# Altium PCB extio.PcbDoc (part 2 of 2)
Units mil, origin at the board's own origin, x right, y up, seen from the top; angles counter-clockwise.
Board outline 5039.37 x 4527.56 mil, 2 copper layers (Top Layer, Bottom Layer); 248 components, 157 nets, 670 pads, 315 vias.
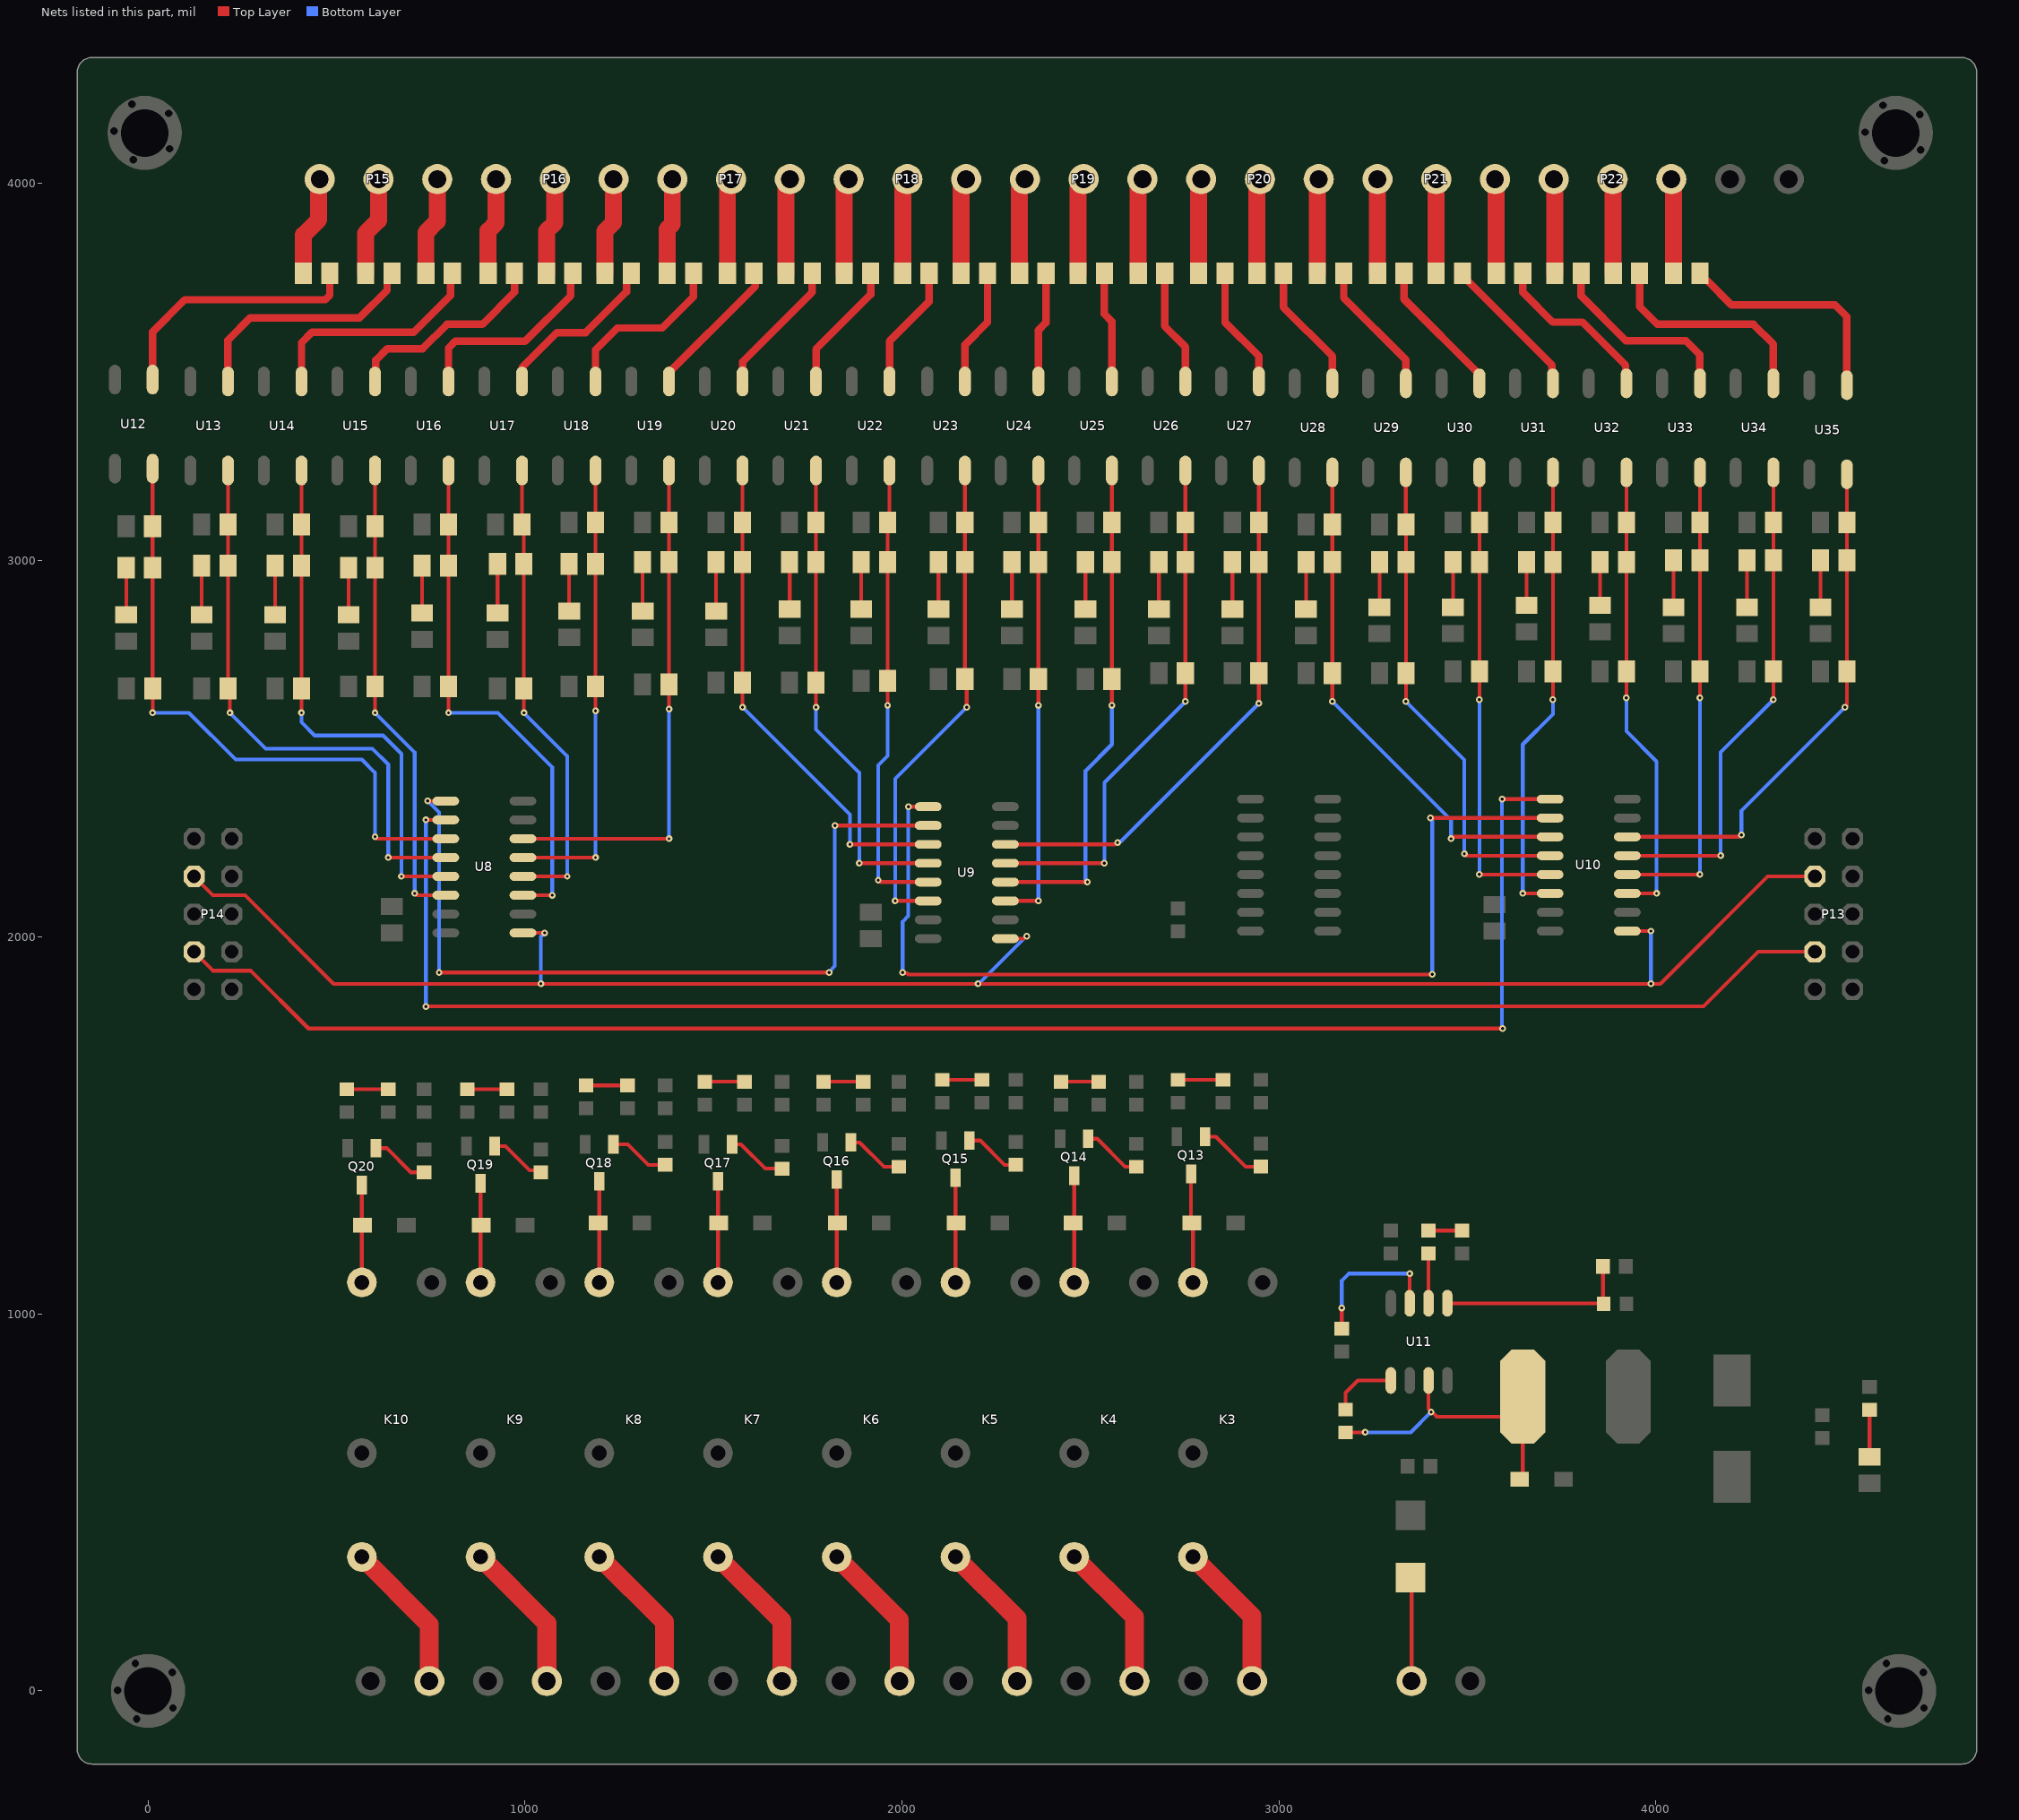
[diagram p2: the nets of this part, all layers, seen from the top]

## Via types
v1: diameter 17.72, hole 7.87, Top Layer to Bottom Layer, 315 vias

## Nets (pads, with @x,y where several pads share a name; then routed paths per layer and width w, separated by ;. In a path a pad name is that pad's centre, name@x,y a point inside that pad or via, vN(x,y) a via of type N, cw(c..) or ccw(c..) an arc to the next point about the centre after c; other vN are vias at no path point) (continued)
NetC49_1: C49.1 D18.2 L3.1 U11.3 | length 829
  Top Layer w10: C49.1@3177.15,685.83 3228.83,685.83 v1(3229.15,686.15) ; U11.3@3397.15,823.79 3397.15,749.15 3419.15,727.15 3593.15,727.15 L3.1@3647.15,781.15 3647.15,569.22 D18.2@3639.08,561.15
  Bottom Layer w10: v1(3229.15,686.15) 3350.15,686.15 v1(3404.15,740.15)
NetC49_2: C49.2 U11.1 | length 178.2
  Top Layer w10: C49.2@3177.15,746.46 3177.15,791.15 3209.79,823.79 U11.1@3297.15,823.79
NetC50_1: C50.1 R48.1 | length 89
  Top Layer w10: C50.1@3397.15,1221.46 R48.1@3486.15,1221.46
NetC50_2: C50.2 U11.6 | length 132.3
  Top Layer w10: U11.6@3397.15,1028.51 C50.2@3397.15,1160.83
NetD16_1: D16.1 P12.1 | length 275.6
  Top Layer w10: D16.1@3349.15,300.47 3352.15,297.47 P12.1@3352.15,26.15
NetD17_K: D17.K R51.1 | length 124.6
  Top Layer w10: R51.1@4567.15,621.19 D17.K@4567.15,745.83
NetD19_K: D19.K R60.1 | length 125
  Top Layer w10: R60.1@-57.93,2980.15 -57.85,2980.07 D19.K@-57.85,2855.15
NetD20_K: D20.K R61.1 | length 135
  Top Layer w10: R61.1@142.07,2985.15 142.07,2850.27 D20.K@142.15,2850.19
NetD21_K: D21.K R62.1 | length 130
  Top Layer w10: R62.1@337.07,2985.15 337.15,2985.07 D21.K@337.15,2855.15
NetD22_K: D22.K R63.1 | length 125
  Top Layer w10: R63.1@532.07,2980.15 532.15,2980.07 D22.K@532.15,2855.15
NetD23_K: D23.K R64.1 | length 125
  Top Layer w10: R64.1@727.07,2985.15 727.15,2985.07 D23.K@727.15,2860.15
NetD24_K: D24.K R65.1 | length 130
  Top Layer w10: R65.1@927.11,2990.15 R65.1@927.11,2990.15 D24.K@927.15,2860.19
NetD25_K: D25.K R66.1 | length 125
  Top Layer w10: R66.1@1117.07,2990.15 1117.07,2865.27 D25.K@1117.15,2865.19
NetD26_K: D26.K R67.1 | length 130
  Top Layer w10: R67.1@1312.11,2995.15 1312.11,2865.23 D26.K@1312.15,2865.19
NetD27_K: D27.K R84.1 | length 130
  Top Layer w10: R84.1@1507.11,2995.15 R84.1@1507.11,2995.15 D27.K@1507.15,2865.19
NetD28_K: D28.K R85.1 | length 125
  Top Layer w10: R85.1@1702.07,2995.15 1702.15,2995.07 D28.K@1702.15,2870.15
NetD29_K: D29.K R86.1 | length 125
  Top Layer w10: R86.1@1892.11,2995.15 R86.1@1892.11,2995.15 D29.K@1892.15,2870.19
NetD30_K: D30.K R87.1 | length 125
  Top Layer w10: R87.1@2097.07,2995.15 2097.15,2995.07 D30.K@2097.15,2870.15
NetD31_K: D31.K R88.1 | length 125
  Top Layer w10: R88.1@2292.11,2995.15 R88.1@2292.11,2995.15 D31.K@2292.15,2870.19
NetD32_K: D32.K R89.1 | length 125
  Top Layer w10: R89.1@2487.11,2995.15 R89.1@2487.11,2995.15 D32.K@2487.15,2870.19
NetD33_K: D33.K R90.1 | length 125
  Top Layer w10: R90.1@2682.11,2995.15 R90.1@2682.11,2995.15 D33.K@2682.15,2870.19
NetD34_K: D34.K R91.1 | length 125
  Top Layer w10: R91.1@2877.11,2995.15 2877.11,2870.23 D34.K@2877.15,2870.19
NetD35_K: D35.K R108.1 | length 125
  Top Layer w10: R108.1@3072.11,2995.15 3072.11,2870.23 D35.K@3072.15,2870.19
NetD36_K: D36.K R109.1 | length 120
  Top Layer w10: R109.1@3267.11,2995.15 3267.11,2875.23 D36.K@3267.15,2875.19
NetD37_K: D37.K R110.1 | length 120
  Top Layer w10: R110.1@3462.07,2995.15 3462.15,2995.07 D37.K@3462.15,2875.19
NetD38_K: D38.K R111.1 | length 115
  Top Layer w10: R111.1@3657.11,2995.15 3657.11,2880.23 D38.K@3657.15,2880.19
NetD39_K: D39.K R112.1 | length 115
  Top Layer w10: R112.1@3852.11,2995.15 3852.11,2880.23 D39.K@3852.15,2880.19
NetD40_K: D40.K R113.1 | length 125
  Top Layer w10: R113.1@4047.11,3000.15 R113.1@4047.11,3000.15 D40.K@4047.15,2875.19
NetD41_K: D41.K R114.1 | length 125
  Top Layer w10: R114.1@4242.11,3000.15 4242.11,2875.23 D41.K@4242.15,2875.19
NetD42_K: D42.K R115.1 | length 125
  Top Layer w10: R115.1@4437.11,3000.15 R115.1@4437.11,3000.15 D42.K@4437.15,2875.19
NetD43_1: D43.1 K3.1 Q13.3 | length 290.1
  Top Layer w10: Q13.3@2767.15,1371.94 2767.15,1243.08 D43.1@2769.08,1241.15 2772.15,1238.08 K3.1@2772.15,1083.91
NetD44_1: D44.1 K4.1 Q14.3 | length 285.6
  Top Layer w10: K4.1@2457.15,1083.91 2457.15,1238.08 D44.1@2454.08,1241.15 2457.15,1244.22 Q14.3@2457.15,1366.94
NetD45_1: D45.1 K5.1 Q15.3 | length 279.6
  Top Layer w10: K5.1@2142.15,1083.91 2142.15,1239.22 D45.1@2144.08,1241.15 2142.15,1243.08 Q15.3@2142.15,1361.94
NetD46_1: D46.1 K6.1 Q16.3 | length 274.6
  Top Layer w10: K6.1@1827.15,1083.91 1827.15,1239.22 D46.1@1829.08,1241.15 1827.15,1243.08 Q16.3@1827.15,1356.94
NetD47_1: D47.1 K7.1 Q17.3 | length 269.6
  Top Layer w10: K7.1@1512.15,1083.91 1512.15,1239.22 D47.1@1514.08,1241.15 1512.15,1243.08 Q17.3@1512.15,1351.94
NetD48_1: D48.1 K8.1 Q18.3 | length 270.6
  Top Layer w10: K8.1@1197.15,1083.91 1197.15,1238.08 D48.1@1194.08,1241.15 1197.15,1244.22 Q18.3@1197.15,1351.94
NetD49_K: D49.K R124.2 | length 120
  Top Layer w10: R124.2@2732.15,1621.46 D49.K@2852.15,1621.46
NetD50_K: D50.K R125.2 | length 105
  Top Layer w10: R125.2@2417.15,1616.46 D50.K@2522.15,1616.46
NetD51_K: D51.K R126.2 | length 105
  Top Layer w10: R126.2@2107.15,1621.46 D51.K@2212.15,1621.46
NetD52_K: D52.K R127.2 | length 105
  Top Layer w10: R127.2@1792.15,1616.46 D52.K@1897.15,1616.46
NetD53_K: D53.K R128.2 | length 105
  Top Layer w10: R128.2@1477.15,1616.46 D53.K@1582.15,1616.46
NetD54_K: D54.K R129.2 | length 110
  Top Layer w10: R129.2@1162.15,1606.46 D54.K@1272.15,1606.46
NetD55_1: D55.1 K9.1 Q19.3 | length 264.6
  Top Layer w10: K9.1@882.15,1083.91 882.15,1234.22 D55.1@884.08,1236.15 882.15,1238.08 Q19.3@882.15,1346.94
NetD56_1: D56.1 K10.1 Q20.3 | length 259.6
  Top Layer w10: K10.1@567.15,1083.91 567.15,1234.22 D56.1@569.08,1236.15 567.15,1238.08 Q20.3@567.15,1341.94
NetD57_K: D57.K R136.2 | length 105
  Top Layer w10: R136.2@847.15,1596.46 D57.K@952.15,1596.46
NetD58_K: D58.K R137.2 | length 110
  Top Layer w10: R137.2@527.15,1596.46 D58.K@637.15,1596.46
NetK3_3: K3.3 P24.2 | length 394.3
  Top Layer w50: K3.3@2772.15,355.56 2928.92,198.79 P24.2@2928.92,26.15
NetK4_3: K4.3 P25.2 | length 395.7
  Top Layer w50: K4.3@2457.15,355.56 2617.11,195.6 P25.2@2617.11,26.15
NetK5_3: K5.3 P26.2 | length 397
  Top Layer w50: K5.3@2142.15,355.56 2305.3,192.41 P26.2@2305.3,26.15
NetK6_3: K6.3 P27.2 | length 398.3
  Top Layer w50: K6.3@1827.15,355.56 1993.49,189.22 P27.2@1993.49,26.15
NetK7_3: K7.3 P28.2 | length 399.6
  Top Layer w50: K7.3@1512.15,355.56 1681.68,186.03 P28.2@1681.68,26.15
NetK8_3: K8.3 P29.2 | length 401
  Top Layer w50: K8.3@1197.15,355.56 1369.87,182.84 P29.2@1369.87,26.15
NetK9_3: K9.3 P30.2 | length 402.3
  Top Layer w50: K9.3@882.15,355.56 1058.06,179.65 P30.2@1058.06,26.15
NetK10_3: K10.3 P31.2 | length 403.6
  Top Layer w50: K10.3@567.15,355.56 746.24,176.46 P31.2@746.24,26.15
NetQ13_1: Q13.1 R130.2 | length 180.4
  Top Layer w10: Q13.1@2804.55,1470.36 2832.94,1470.36 2912.15,1391.15 R130.2@2952.15,1391.15
NetQ14_1: Q14.1 R131.2 | length 158.5
  Top Layer w10: Q14.1@2494.55,1465.36 2517.94,1465.36 2592.46,1390.83 R131.2@2622.15,1390.83
NetQ15_1: Q15.1 R132.2 | length 149.3
  Top Layer w10: Q15.1@2179.55,1460.36 2207.94,1460.36 2272.46,1395.83 R132.2@2302.15,1395.83
NetQ16_1: Q16.1 R133.2 | length 154.3
  Top Layer w10: Q16.1@1864.55,1455.36 1887.94,1455.36 1952.46,1390.83 R133.2@1992.15,1390.83
NetQ17_1: Q17.1 R134.2 | length 159.3
  Top Layer w10: Q17.1@1549.55,1450.36 1572.94,1450.36 1637.46,1385.83 R134.2@1682.15,1385.83
NetQ18_1: Q18.1 R135.2 | length 160.2
  Top Layer w10: Q18.1@1234.55,1450.36 1272.94,1450.36 1327.46,1395.83 R135.2@1372.15,1395.83
NetQ19_1: Q19.1 R138.2 | length 151.4
  Top Layer w10: Q19.1@919.55,1445.36 947.94,1445.36 1012.15,1381.15 1036.83,1381.15 R138.2@1042.15,1375.83
NetQ20_1: Q20.1 R139.2 | length 154.3
  Top Layer w10: Q20.1@604.55,1440.36 632.94,1440.36 697.46,1375.83 R139.2@732.15,1375.83
NetR47_2: R47.2 U11.7 | length 393.8
  Top Layer w10: R47.2@3167.15,961.46 v1(3167.15,1016.15) ; U11.7@3347.15,1028.51 v1(3347.15,1107.15)
  Bottom Layer w10: v1(3167.15,1016.15) 3167.15,1089.15 3185.15,1107.15 v1(3347.15,1107.15)
NetR49_1: R49.1 R50.1 U11.5 | length 511.2
  Top Layer w10: U11.5@3447.15,1028.51 3860.47,1028.51 3859.83,1029.15 R49.1@3859.83,1126.15
NetR68_2: R68.2 U12.1 | length 695.1
  Top Layer w20: U12.1@12.15,3479.26 12.15,3606.15 97.15,3691.15 470.15,3691.15 482.19,3703.19 R68.2@482.19,3761.15
NetR69_2: R69.2 U13.1 | length 637
  Top Layer w20: U13.1@212.15,3474.26 212.15,3584.15 271.15,3643.15 561.15,3643.15 634.35,3716.35 634.35,3748.31 R69.2@647.19,3761.15
NetR70_2: R70.2 U14.1 | length 610.8
  Top Layer w20: U14.1@407.15,3474.26 407.15,3577.15 435.15,3605.15 705.15,3605.15 802.21,3702.21 802.21,3756.17 R70.2@807.19,3761.15
NetR71_2: R71.2 U15.1 | length 550
  Top Layer w20: U15.1@602.15,3474.26 604.35,3476.46 604.35,3530.83 634.91,3561.39 728.65,3561.39 793.41,3626.15 887.15,3626.15 972.19,3711.19 R71.2@972.19,3761.15
NetR72_2: R72.2 U16.1 | length 532
  Top Layer w20: U16.1@797.15,3474.26 797.15,3563.15 815.15,3581.15 1000.15,3581.15 1121.21,3702.21 1121.21,3755.17 R72.2@1127.19,3761.15
NetR73_2: R73.2 U17.1 | length 451.5
  Top Layer w10: U17.1@992.15,3474.26 U17.1@992.15,3511.15
  Top Layer w20: U17.1@992.15,3511.15 1085.15,3604.15 1161.15,3604.15 1269.35,3712.35 1269.35,3748.31 R73.2@1282.19,3761.15
NetR74_2: R74.2 U18.1 | length 464.3
  Top Layer w20: U18.1@1187.15,3474.26 1187.15,3558.15 1245.15,3616.15 1364.15,3616.15 1447.19,3699.19 R74.2@1447.19,3761.15
NetR75_2: R75.2 U19.1 | length 383.4
  Top Layer w20: U19.1@1382.15,3474.26 1382.15,3497.88 1599.42,3715.15 ; 1599.43,3715.15 1611.15,3726.87 1611.15,3757.19 R75.2@1607.19,3761.15
NetR92_2: R92.2 U20.1 | length 363.5
  Top Layer w20: U20.1@1577.15,3474.26 1577.15,3526.15 1762.19,3711.19 R92.2@1762.19,3761.15
NetR93_2: R93.2 U21.1 | length 347
  Top Layer w20: U21.1@1772.15,3474.26 1772.15,3560.15 1917.19,3705.19 R93.2@1917.19,3761.15
NetR94_2: R94.2 U22.1 | length 330.4
  Top Layer w20: U22.1@1967.15,3474.26 1967.15,3581.15 2072.19,3686.19 R94.2@2072.19,3761.15
NetR95_2: R95.2 U23.1 | length 311.8
  Top Layer w20: U23.1@2167.15,3474.26 2167.15,3571.15 2227.19,3631.19 R95.2@2227.19,3761.15
NetR96_2: R96.2 U24.1 | length 295.2
  Top Layer w20: U24.1@2362.15,3474.26 2362.15,3610.15 2382.19,3630.19 R96.2@2382.19,3761.15
NetR97_2: R97.2 U25.1 | length 295.2
  Top Layer w20: R97.2@2537.19,3761.15 2537.19,3653.11 2557.15,3633.15 U25.1@2557.15,3474.26
NetR98_2: R98.2 U26.1 | length 309.7
  Top Layer w20: R98.2@2697.19,3761.15 2697.19,3621.11 2752.15,3566.15 U26.1@2752.15,3474.26
NetR99_2: R99.2 U27.1 | length 324.2
  Top Layer w20: R99.2@2857.19,3761.15 2857.19,3631.11 2947.15,3541.15 U27.1@2947.15,3474.26
NetR116_2: R116.2 U28.1 | length 345.7
  Top Layer w20: R116.2@3012.19,3761.15 3012.19,3671.11 3142.15,3541.15 U28.1@3142.15,3469.26
NetR117_2: R117.2 U29.1 | length 360.2
  Top Layer w20: R117.2@3172.19,3761.15 3172.19,3696.11 3337.15,3531.15 U29.1@3337.15,3469.26
NetR118_2: R118.2 U30.1 | length 374.7
  Top Layer w20: R118.2@3332.19,3761.15 3332.19,3692.84 3532.15,3492.88 U30.1@3532.15,3469.26
NetR119_2: R119.2 U31.1 | length 391.3
  Top Layer w20: R119.2@3487.19,3761.15 3487.19,3755.05 3724.95,3517.29 3724.95,3471.46 U31.1@3727.15,3469.26
NetR120_2: R120.2 U32.1 | length 477.3
  Top Layer w10: R120.2@3647.19,3761.15 R120.2@3665.02,3743.31
  Top Layer w20: R120.2@3647.19,3761.15 3647.19,3711.11 3726.65,3631.65 3805.7,3631.65 3919.95,3517.4 3919.95,3471.46 U32.1@3922.15,3469.26
NetR121_2: R121.2 U33.1 | length 515.5
  Top Layer w20: R121.2@3802.19,3761.15 3802.19,3701.11 3921.15,3582.15 4080.15,3582.15 4117.15,3545.15 U33.1@4117.15,3469.26
NetR122_2: R122.2 U34.1 | length 588.3
  Top Layer w20: R122.2@3957.19,3761.15 3957.19,3673.11 4004.15,3626.15 4259.15,3626.15 4312.15,3573.15 U34.1@4312.15,3469.26
NetR123_2: R123.2 U35.1 | length 623.1
  Top Layer w10: U35.1@4507.15,3464.26 U35.1@4507.15,3478.15
  Top Layer w20: R123.2@4117.19,3761.15 4117.19,3755.05 4130.02,3742.21 4136.13,3742.21 4201.19,3677.15 4476.15,3677.15 4507.15,3646.15 U35.1@4507.15,3478.15
NetU8_9: U8.9 U9.10 | length 2193.9
  Top Layer w10: v1(742.15,2361.15) U8.9@789.79,2361.15 ; v1(772.15,1906.15) v1(1807.15,1906.15) ; v1(1822.15,2296.15) U9.10@2069.79,2296.15
  Bottom Layer w10: v1(742.15,2361.15) 772.15,2331.15 v1(772.15,1906.15) ; v1(1807.15,1906.15) 1807.15,1908.24 1822.15,1923.24 v1(1822.15,2296.15)
NetU9_9: U9.9 U10.10 | length 2640.6
  Top Layer w10: v1(2002.15,1906.15) 2003.63,1904.67 2013.63,1904.67 2017.15,1901.15 v1(3407.15,1901.15) ; v1(2017.15,2346.15) U9.9@2069.79,2346.15 ; v1(3402.15,2316.15) U10.10@3719.79,2316.15
  Bottom Layer w10: v1(2002.15,1906.15) 2002.15,2041.15 2017.15,2056.15 v1(2017.15,2346.15) ; v1(3402.15,2316.15) 3407.15,2311.15 v1(3407.15,1901.15)
PE: P13.3 P14.3 U8.1 U9.1 U10.1 | length 5176.2
  Top Layer w10: P14.3@122.15,2161.15 172.15,2111.15 257.15,2111.15 492.15,1876.15 v1(1042.15,1876.15) v1(2202.15,1876.15) v1(3987.15,1876.15) 4012.15,1876.15 4297.15,2161.15 P13.3@4422.15,2161.15 ; U8.1@994.51,2011.15 v1(1052.15,2011.15) ; U9.1@2274.51,1996.15 2323.04,1996.15 2329.18,2002.29 v1(2331.27,2002.29) ; U10.1@3924.51,2016.15 v1(3987.15,2016.15)
  Bottom Layer w10: v1(1042.15,1876.15) 1042.15,2001.15 v1(1052.15,2011.15) ; v1(2202.15,1876.15) 2203.64,1876.15 2329.78,2002.29 v1(2331.27,2002.29) ; v1(3987.15,1876.15) v1(3987.15,2016.15)
S0: P15.3 R68.1 | length 268
  Top Layer w45: R68.1@412.11,3761.15 412.11,3862.96 452.8,3903.65 452.8,4008.49 P15.3@455.46,4011.15
S1: P15.2 R69.1 | length 264.2
  Top Layer w45: R69.1@577.11,3761.15 577.11,3867.34 611.36,3901.59 P15.2@611.36,4011.15
S2: P15.1 R70.1 | length 262.5
  Top Layer w45: R70.1@737.11,3761.15 737.11,3869.39 767.27,3899.54 P15.1@767.27,4011.15
S3: P16.3 R71.1 | length 258.7
  Top Layer w45: R71.1@902.11,3761.15 902.11,3874.1 923.17,3895.16 P16.3@923.17,4011.15
S4: P16.2 R72.1 | length 259.1
  Top Layer w45: R72.1@1057.11,3761.15 1057.11,3873.48 1079.08,3895.45 P16.2@1079.08,4011.15
S5: P16.1 R73.1 | length 259.5
  Top Layer w45: R73.1@1212.11,3761.15 1212.11,3873.03 1234.98,3895.9 P16.1@1234.98,4011.15
S6: P17.3 R74.1 | length 255.7
  Top Layer w45: R74.1@1377.11,3761.15 1377.11,3877.74 1390.89,3891.52 P17.3@1390.89,4011.15
S7: P17.2 R75.1 | length 254
  Top Layer w45: R75.1@1537.11,3761.15 1537.11,3991.99 1546.8,4001.68 P17.2@1546.8,4011.15
S8: P17.1 R92.1 | length 254.4
  Top Layer w45: R92.1@1692.11,3761.15 1692.11,3991.09 1702.7,4001.68 P17.1@1702.7,4011.15
S9: P18.3 R93.1 | length 254.8
  Top Layer w45: R93.1@1847.11,3761.15 1847.11,3990.18 1858.61,4001.68 P18.3@1858.61,4011.15
S10: P18.2 R94.1 | length 255.1
  Top Layer w45: R94.1@2002.11,3761.15 2002.11,3989.28 2014.51,4001.68 P18.2@2014.51,4011.15
S11: P18.1 R95.1 | length 255.5
  Top Layer w45: R95.1@2157.11,3761.15 2157.11,3988.37 2170.42,4001.68 P18.1@2170.42,4011.15
S12: P19.3 R96.1 | length 255.9
  Top Layer w45: R96.1@2312.11,3761.15 2312.11,3987.47 2326.32,4001.68 P19.3@2326.32,4011.15
S13: P19.2 R97.1 | length 256.3
  Top Layer w45: R97.1@2467.11,3761.15 2467.11,3986.56 2482.23,4001.68 P19.2@2482.23,4011.15
S14: P19.1 R98.1 | length 254.6
  Top Layer w45: R98.1@2627.11,3761.15 2627.11,3990.65 2638.13,4001.68 P19.1@2638.13,4011.15
S15: P20.3 R99.1 | length 252.9
  Top Layer w45: R99.1@2787.11,3761.15 2787.44,3761.48 2787.44,4004.55 P20.3@2794.04,4011.15
S16: P20.2 R116.1 | length 253.2
  Top Layer w45: R116.1@2942.11,3761.15 2942.11,3993.84 2949.95,4001.68 P20.2@2949.95,4011.15
S17: P20.1 R117.1 | length 251.8
  Top Layer w10: P20.1@3102.15,4007.45 P20.1@3105.85,4011.15
  Top Layer w45: R117.1@3102.11,3761.15 3102.44,3761.48 3102.44,4007.15 P20.1@3102.15,4007.45
S18: P21.3 R118.1 | length 250.1
  Top Layer w45: P21.3@3261.76,4011.15 3261.93,4010.97 3261.93,3761.33 R118.1@3262.11,3761.15
S19: P21.2 R119.1 | length 250.4
  Top Layer w10: P21.2@3417.15,4010.64 P21.2@3417.66,4011.15
  Top Layer w45: R119.1@3417.11,3761.15 3417.39,3761.43 3417.39,4010.4 P21.2@3417.15,4010.64
S20: P21.1 R120.1 | length 251.5
  Top Layer w45: P21.1@3573.57,4011.15 3576.78,4007.94 3576.78,3761.48 R120.1@3577.11,3761.15
S21: P22.3 R121.1 | length 251.1
  Top Layer w45: P22.3@3729.47,4011.15 3731.78,4008.85 3731.78,3761.48 R121.1@3732.11,3761.15
S22: P22.2 R122.1 | length 251
  Top Layer w10: P22.2@3885.38,4011.15 P22.2@3887.15,4009.38
  Top Layer w45: R122.1@3887.11,3761.15 3886.78,3761.48 3886.78,4009 P22.2@3887.15,4009.38
S23: P22.1 R123.1 | length 252.4
  Top Layer w45: P22.1@4041.28,4011.15 4046.78,4005.66 4046.78,3761.48 R123.1@4047.11,3761.15
SIN0: C53.1 R52.1 R60.2 U8.11 U12.4 | length 1647.5
  Top Layer w10: v1(12.15,2595.15) 12.23,2595.23 R52.1@12.23,2660.15 12.15,2660.23 R60.2@12.15,2980.15 C53.1@12.15,3090.15 ; C53.1@12.15,3106.15 U12.4@12.15,3243.04 ; v1(602.15,2266.15) 604.24,2266.15 609.24,2261.15 U8.11@789.79,2261.15
  Bottom Layer w10: v1(12.15,2595.15) 108.15,2595.15 232.15,2471.15 567.15,2471.15 602.15,2436.15 v1(602.15,2266.15)
SIN1: C54.1 R53.1 R61.2 U8.12 U13.4 | length 1505.3
  Top Layer w10: C54.1@212.15,3095.15 R61.2@212.15,2985.15 R53.1@212.19,2660.15 R53.1@212.19,2660.15 217.15,2655.19 v1(217.15,2595.15) ; C54.1@212.15,3111.15 U13.4@212.15,3238.04 ; v1(637.15,2211.15) U8.12@789.79,2211.15
  Bottom Layer w10: v1(217.15,2595.15) 312.15,2500.15 595.15,2500.15 637.15,2458.15 v1(637.15,2211.15)
SIN2: C55.1 R54.1 R62.2 U8.13 U14.4 | length 1394.4
  Top Layer w10: v1(407.15,2595.15) v1(407.15,2595.15) R54.1@407.19,2660.15 R54.1@407.19,2660.15 R62.2@407.15,2985.15 C55.1@407.15,3095.15 ; C55.1@407.15,3111.15 U14.4@407.15,3238.04 ; v1(672.15,2161.15) U8.13@789.79,2161.15
  Bottom Layer w10: v1(407.15,2595.15) 407.15,2570.15 442.15,2535.15 623.15,2535.15 672.15,2486.15 v1(672.15,2161.15)
SIN3: C56.1 R55.1 R63.2 U8.14 U15.4 | length 1241.2
  Top Layer w10: v1(602.15,2595.15) v1(602.15,2595.15) R55.1@602.19,2665.15 R55.1@602.19,2665.15 R63.2@602.15,2980.15 R63.2@602.15,2980.15 C56.1@602.19,3090.15 ; C56.1@602.15,3106.19 U15.4@602.15,3238.04 ; v1(707.15,2116.15) 709.24,2116.15 714.24,2111.15 U8.14@789.79,2111.15 U8.14@784.79,2116.15
  Bottom Layer w10: v1(602.15,2595.15) 707.15,2490.15 v1(707.15,2116.15)
SIN4: C57.1 R56.1 R64.2 U8.3 U16.4 | length 1379.2
  Top Layer w10: v1(797.15,2595.15) v1(797.15,2595.15) R56.1@797.19,2665.15 R56.1@797.19,2665.15 R64.2@797.15,2985.15 R64.2@797.15,2985.15 C57.1@797.19,3095.15 C57.1@797.19,3095.15 ; C57.1@797.15,3111.19 U16.4@797.15,3238.04 ; U8.3@994.51,2111.15 v1(1072.15,2111.15)
  Bottom Layer w10: v1(797.15,2595.15) 928.15,2595.15 1072.15,2451.15 v1(1072.15,2111.15)
SIN5: C58.1 R57.1 R65.2 U8.4 U17.4 | length 1228.2
  Top Layer w10: C58.1@992.15,3111.23 U17.4@992.15,3238.04 ; C58.1@992.23,3095.15 997.19,3090.19 R65.2@997.19,2990.15 R57.1@997.15,2660.15 R57.1@997.15,2660.15 v1(997.15,2595.15) ; U8.4@994.51,2161.15 v1(1112.15,2161.15)
  Bottom Layer w10: v1(997.15,2595.15) 1112.15,2480.15 v1(1112.15,2161.15)
SIN6: C59.1 R58.1 R66.2 U8.5 U18.4 | length 1203.6
  Top Layer w10: U8.5@994.51,2211.15 v1(1187.15,2211.15) ; v1(1187.15,2600.15) v1(1187.15,2600.15) R58.1@1187.19,2665.15 R58.1@1187.19,2665.15 R66.2@1187.15,2990.15 C59.1@1187.15,3100.15 ; C59.1@1187.15,3116.15 U18.4@1187.15,3238.04
  Bottom Layer w10: v1(1187.15,2211.15) v1(1187.15,2600.15)
SIN7: C60.1 R59.1 R67.2 U8.6 U19.4 | length 1348.6
  Top Layer w10: U8.6@994.51,2261.15 v1(1382.15,2261.15) ; v1(1382.15,2605.15) v1(1382.15,2605.15) R59.1@1382.19,2670.15 R67.2@1382.19,2995.15 C60.1@1382.19,3100.15 C60.1@1382.19,3100.15 ; C60.1@1382.15,3116.19 U19.4@1382.15,3238.04
  Bottom Layer w10: v1(1382.15,2261.15) v1(1382.15,2605.15)
SIN8: C61.1 R76.1 R84.2 U9.11 U20.4 | length 1301.5
  Top Layer w10: v1(1577.15,2610.15) v1(1577.15,2610.15) R76.1@1577.19,2675.15 R84.2@1577.19,2995.15 1577.23,2995.19 C61.1@1577.23,3100.15 ; C61.1@1577.15,3116.23 U20.4@1577.15,3238.04 ; v1(1862.15,2246.15) U9.11@2069.79,2246.15
  Bottom Layer w10: v1(1577.15,2610.15) 1862.15,2325.15 v1(1862.15,2246.15)
SIN9: C62.1 R77.1 R85.2 U9.12 U21.4 | length 1256.2
  Top Layer w10: v1(1772.15,2610.15) v1(1772.15,2610.15) R77.1@1772.19,2675.15 R77.1@1772.19,2675.15 R85.2@1772.15,2995.15 C62.1@1772.15,3100.15 ; C62.1@1772.15,3116.15 U21.4@1772.15,3238.04 ; v1(1887.15,2196.15) U9.12@2069.79,2196.15
  Bottom Layer w10: v1(1772.15,2610.15) 1772.15,2551.15 1887.15,2436.15 v1(1887.15,2196.15)
SIN10: C63.1 R78.1 R86.2 U9.13 U22.4 | length 1218
  Top Layer w10: v1(1937.15,2151.15) 1939.24,2151.15 1944.24,2146.15 U9.13@2069.79,2146.15 ; v1(1962.15,2615.15) v1(1962.15,2615.15) R78.1@1962.19,2680.15 R86.2@1962.19,2995.15 C63.1@1962.19,3100.15 C63.1@1967.15,3105.11 ; C63.1@1967.15,3121.11 U22.4@1967.15,3238.04
  Bottom Layer w10: v1(1937.15,2151.15) 1937.15,2456.15 1962.15,2481.15 v1(1962.15,2615.15)
SIN11: C64.1 R79.1 R87.2 U9.14 U23.4 | length 1294.3
  Top Layer w10: v1(1982.15,2096.15) U9.14@2069.79,2096.15 ; C64.1@2167.15,3116.19 U23.4@2167.15,3238.04 ; C64.1@2167.19,3100.15 R87.2@2167.15,2995.15 R87.2@2167.15,2995.15 R79.1@2167.19,2685.15 R79.1@2167.19,2685.15 2172.15,2680.19 v1(2172.15,2610.15)
  Bottom Layer w10: v1(1982.15,2096.15) 1982.15,2420.15 v1(2172.15,2610.15)
SIN12: C65.1 R80.1 R88.2 U9.3 U24.4 | length 1213.6
  Top Layer w10: U9.3@2274.51,2096.15 v1(2362.15,2096.15) ; v1(2362.15,2615.15) v1(2362.15,2615.15) R80.1@2362.19,2685.15 R88.2@2362.19,2995.15 C65.1@2362.19,3100.15 C65.1@2362.19,3100.15 ; C65.1@2362.15,3116.19 U24.4@2362.15,3238.04
  Bottom Layer w10: v1(2362.15,2096.15) v1(2362.15,2615.15)
SIN13: C66.1 R81.1 R89.2 U9.4 U25.4 | length 1324.6
  Top Layer w10: U9.4@2274.51,2146.15 v1(2492.15,2146.15) ; v1(2557.15,2615.15) v1(2557.15,2615.15) R81.1@2557.19,2685.15 R89.2@2557.19,2995.15 R89.2@2557.19,2995.15 C66.1@2557.15,3100.15 ; C66.1@2557.15,3116.15 U25.4@2557.15,3238.04
  Bottom Layer w10: v1(2492.15,2146.15) 2487.15,2151.15 2487.15,2441.15 2557.15,2511.15 v1(2557.15,2615.15)
SIN14: C67.1 R82.1 R90.2 U9.5 U26.4 | length 1377.6
  Top Layer w10: U9.5@2274.51,2196.15 v1(2537.15,2196.15) ; v1(2752.15,2625.15) v1(2752.15,2625.15) R82.1@2752.19,2700.15 R90.2@2752.19,2995.15 C67.1@2752.19,3100.15 ; C67.1@2752.15,3116.19 U26.4@2752.15,3238.04
  Bottom Layer w10: v1(2537.15,2196.15) 2537.15,2410.15 v1(2752.15,2625.15)
SIN15: C68.1 R83.1 R91.2 U9.6 U27.4 | length 1420.3
  Top Layer w10: U9.6@2274.51,2246.15 v1@2565.06,2246.15 ; v1(2947.15,2620.15) v1(2947.15,2620.15) R83.1@2947.19,2700.15 R91.2@2947.19,2995.15 C68.1@2947.19,3100.15 C68.1@2947.19,3100.15 ; C68.1@2947.15,3116.19 U27.4@2947.15,3238.04
  Bottom Layer w10: v1(2572.15,2251.15) 2573.63,2252.63 2579.63,2252.63 v1(2947.15,2620.15)
SIN16: C69.1 R100.1 R108.2 U10.11 U28.4 | length 1351.1
  Top Layer w10: v1(3142.15,2625.15) v1(3142.15,2625.15) R100.1@3142.19,2700.15 R108.2@3142.19,2995.15 C69.1@3142.19,3095.15 ; C69.1@3142.15,3111.19 U28.4@3142.15,3233.04 ; v1(3457.15,2261.15) 3459.24,2261.15 3464.24,2266.15 U10.11@3719.79,2266.15
  Bottom Layer w10: v1(3142.15,2625.15) 3457.15,2310.15 v1(3457.15,2261.15)
SIN17: C70.1 R101.1 R109.2 U10.12 U29.4 | length 1284.8
  Top Layer w10: v1(3337.15,2625.15) v1(3337.15,2625.15) R101.1@3337.19,2700.15 ; C70.1@3337.15,3111.19 U29.4@3337.15,3233.04 ; R101.1@3337.19,2705.15 R109.2@3337.19,2995.15 C70.1@3337.19,3095.15 ; v1(3492.15,2221.15) 3494.24,2221.15 3499.24,2216.15 U10.12@3719.79,2216.15
  Bottom Layer w10: v1(3337.15,2625.15) 3492.15,2470.15 v1(3492.15,2221.15)
SIN18: C71.1 R102.1 R110.2 U10.13 U30.4 | length 1238.6
  Top Layer w10: v1(3532.15,2166.15) U10.13@3719.79,2166.15 ; v1(3532.15,2630.15) R102.1@3532.19,2705.15 R102.1@3532.19,2705.15 R102.1@3532.19,2705.15 R110.2@3532.15,2995.15 C71.1@3532.15,3100.15 ; C71.1@3532.15,3116.15 U30.4@3532.15,3233.04
  Bottom Layer w10: v1(3532.15,2166.15) v1(3532.15,2630.15)
SIN19: C72.1 R103.1 R111.2 U10.14 U31.4 | length 1206.7
  Top Layer w10: v1(3647.15,2116.15) U10.14@3719.79,2116.15 ; v1(3727.15,2630.15) v1(3727.15,2630.15) R103.1@3727.19,2705.15 R111.2@3727.19,2995.15 C72.1@3727.19,3100.15 C72.1@3727.19,3100.15 ; C72.1@3727.15,3116.19 U31.4@3727.15,3233.04
  Bottom Layer w10: v1(3647.15,2116.15) 3647.15,2511.15 3727.15,2591.15 v1(3727.15,2630.15)
SIN20: C73.1 R104.1 R112.2 U10.3 U32.4 | length 1211.7
  Top Layer w10: v1(3922.15,2635.15) v1(3922.15,2635.15) R104.1@3922.19,2705.15 R112.2@3922.19,2995.15 C73.1@3922.19,3100.15 C73.1@3922.19,3100.15 ; C73.1@3922.15,3116.19 U32.4@3922.15,3233.04 ; U10.3@3924.51,2116.15 v1(4002.15,2116.15)
  Bottom Layer w10: v1(3922.15,2635.15) 3922.15,2546.15 4002.15,2466.15 v1(4002.15,2116.15)
SIN21: C74.1 R105.1 R113.2 U10.4 U33.4 | length 1243.6
  Top Layer w10: U10.4@3924.51,2166.15 v1(4117.15,2166.15) ; v1(4117.15,2635.15) v1(4117.15,2635.15) R105.1@4117.19,2705.15 R113.2@4117.19,3000.15 C74.1@4117.19,3100.15 C74.1@4117.19,3100.15 ; C74.1@4117.15,3116.19 U33.4@4117.15,3233.04
  Bottom Layer w10: v1(4117.15,2166.15) v1(4117.15,2635.15)
SIN22: C75.1 R106.1 R114.2 U10.5 U34.4 | length 1306.6
  Top Layer w10: U10.5@3924.51,2216.15 v1(4172.15,2216.15) ; v1(4312.15,2630.15) R106.1@4312.19,2705.15 R106.1@4312.19,2705.15 R114.2@4312.19,3000.15 C75.1@4312.19,3100.15 C75.1@4312.19,3100.15 ; C75.1@4312.15,3116.19 U34.4@4312.15,3233.04
  Bottom Layer w10: v1(4172.15,2216.15) 4172.15,2490.15 v1(4312.15,2630.15)
SIN23: C76.1 R107.1 R115.2 U10.6 U35.4 | length 1361.6
  Top Layer w10: U10.6@3924.51,2266.15 4220.06,2266.15 4225.06,2271.15 v1(4227.15,2271.15) ; v1(4502.15,2610.15) 4507.19,2615.19 R107.1@4507.19,2705.15 R115.2@4507.19,3000.15 R115.2@4507.19,3000.15 C76.1@4507.15,3100.15 ; C76.1@4507.15,3116.15 U35.4@4507.15,3228.04
  Bottom Layer w10: v1(4227.15,2271.15) 4227.15,2335.15 v1(4502.15,2610.15)
SMOKE_IN: P14.7 U10.9 | length 4292.6
  Top Layer w10: P14.7@122.15,1961.15 172.15,1911.15 272.15,1911.15 425.65,1757.65 v1(3593.65,1757.65) ; v1(3592.15,2366.15) U10.9@3719.79,2366.15
  Bottom Layer w10: v1(3592.15,2366.15) 3592.15,1759.15 v1(3593.65,1757.65)
SMOKE_PREV: P13.7 U8.10 | length 4292.7
  Top Layer w10: v1(737.15,1816.15) 4127.15,1816.15 4272.15,1961.15 P13.7@4422.15,1961.15 ; v1(737.15,2311.15) U8.10@789.79,2311.15
  Bottom Layer w10: v1(737.15,1816.15) v1(737.15,2311.15)
pads on no net: HOLES1.1 HOLES2.1 HOLES3.1 HOLES4.1 U8.7 U9.7 U10.7

## Polygon pours and split planes (outlines as drawn)
GND on Top Layer "GND_L01_P021" (solid, remove dead copper, pour order 21): -186.85,4332.15 -186.85,-172.85 -195.85,-181.85 4855.15,-181.85 4856.15,-180.85 4856.15,4333.15 4857.15,4334.15 -184.85,4334.15
5V on Top Layer "5V_L01_P025" (solid, pour order 25): 2630.15,2304.15 2629.15,2305.15 2629.15,2325.15 2639.15,2335.15 2643.15,2331.15 2958.15,2331.15 2964.15,2325.15 2964.15,2308.15 2960.15,2304.15
NetD16_1 on Top Layer "NETD16_1_L01_P020" (solid, pour order 20): 3194.15,342.15 3194.15,-83.85 3229.15,-118.85 3419.15,-118.85 3439.15,-98.85 3439.15,327.15 3397.15,369.15 3221.15,369.15
GND on Top Layer "GND_L01_P019" (solid, pour order 19): -186.85,4332.15
NetC49_1 on Top Layer "NETC49_1_L01_P018" (solid, pour order 18): 3669.15,599.15 3717.15,647.15 3717.15,907.15 3691.15,933.15 3602.15,933.15 3562.15,893.15 3562.15,787.15 3526.15,751.15 3430.15,751.15 3411.15,770.15 3411.15,857.15 3404.15,864.15 3386.15,864.15 3379.15,857.15 3379.15,677.15 3392.15,664.15 3507.15,664.15 3554.15,617.15 3554.15,556.15 3580.15,530.15 3659.15,530.15 3669.15,540.15
5V on Top Layer "5V_L01_P017" (solid, pour order 17): 2858.15,1265.15 2858.15,1174.15 2917.15,1115.15 2917.15,1057.15 2973.15,1113.15 2973.15,1198.15 2938.15,1233.15 2938.15,1267.15 2930.15,1275.15 2868.15,1275.15
5V on Top Layer "5V_L01_P015" (solid, pour order 15): 2542.15,1264.15 2542.15,1205.15 2601.15,1146.15 2601.15,992.15 2606.15,987.15 2665.15,987.15 2683.15,1005.15 2683.15,1203.15 2614.15,1272.15 2550.15,1272.15
5V on Top Layer "5V_L01_P014" (solid, pour order 14): 2233.15,1262.15 2233.15,1187.15 2283.15,1137.15 2283.15,996.15 2366.15,996.15 2369.15,993.15 2369.15,1206.15 2298.15,1277.15 2248.15,1277.15
5V on Top Layer "5V_L01_P013" (solid, pour order 13): 1917.15,1213.15 1970.15,1160.15 1970.15,994.15 1972.15,992.15 2045.15,992.15 2052.15,999.15 2052.15,1201.15 1982.15,1271.15 1924.15,1271.15 1917.15,1264.15
5V on Top Layer "5V_L01_P012" (solid, pour order 12): 1603.15,1263.15 1603.15,1199.15 1655.15,1147.15 1655.15,991.15 1657.15,989.15 1739.15,989.15 1740.15,990.15 1740.15,1222.15 1693.15,1269.15 1609.15,1269.15
5V on Top Layer "5V_L01_P011" (solid, pour order 11): 1280.15,1264.15 1280.15,1202.15 1338.15,1144.15 1338.15,981.15 1416.15,981.15 1423.15,988.15 1423.15,1183.15 1338.15,1268.15 1284.15,1268.15
5V on Top Layer "5V_L01_P010" (solid, pour order 10): 971.15,1258.15 971.15,1136.15 1026.15,1081.15 1026.15,995.15 1105.15,995.15 1110.15,1000.15 1110.15,1119.15 1028.15,1201.15 1028.15,1261.15 1022.15,1267.15 980.15,1267.15
5V on Top Layer "5V_L01_P009" (solid, pour order 9): 659.15,1256.15 659.15,1170.15 702.15,1127.15 765.15,1127.15 776.15,1138.15 776.15,1199.15 712.15,1263.15 666.15,1263.15
5V on Top Layer "5V_L01_P008" (solid, pour order 8): 702.15,980.15 753.15,929.15 2869.15,929.15 3278.15,1338.15 4624.15,1338.15 4625.15,1337.15 4625.15,1404.15 4615.15,1414.15 3232.15,1414.15 2821.15,1003.15 813.15,1003.15 795.15,1021.15 795.15,1119.15 776.15,1138.15 713.15,1138.15 702.15,1127.15
5V on Top Layer "5V_L01_P007" (solid, pour order 7): 3313.15,2493.15 3313.15,2015.15 3338.15,1990.15 3736.15,1990.15 3757.15,2011.15 3757.15,2025.15 3753.15,2029.15 3640.15,2029.15 3626.15,2043.15 3400.15,2043.15 3373.15,2070.15 3373.15,2500.15 3375.15,2502.15 3322.15,2502.15
5V on Top Layer "5V_L01_P006" (solid, pour order 6): 2607.15,2046.15 2655.15,1998.15 2956.15,1998.15 2966.15,2008.15 2966.15,2022.15 2957.15,2031.15 2817.15,2031.15 2806.15,2042.15 2694.15,2042.15 2680.15,2056.15 2680.15,2499.15 2613.15,2499.15 2607.15,2493.15
5V on Top Layer "5V_L01_P005" (solid, pour order 5): 1731.15,2498.15 1731.15,2021.15 1782.15,1970.15 2092.15,1970.15 2109.15,1987.15 2109.15,2004.15 2104.15,2009.15 1993.15,2009.15 1978.15,2024.15 1879.15,2024.15 1797.15,2106.15 1797.15,2504.15 1737.15,2504.15
5V on Top Layer "5V_L01_P004" (solid, pour order 4): 810.15,1982.15 548.15,1982.15 518.15,2012.15 518.15,2484.15 519.15,2485.15 576.15,2485.15 577.15,2484.15 577.15,2062.15 602.15,2037.15 712.15,2037.15 723.15,2026.15 824.15,2026.15 829.15,2021.15 829.15,2001.15
5V on Top Layer "5V_L01_P003" (solid, pour order 3): 3899.15,1059.15 3899.15,926.15 3854.15,881.15 3854.15,662.15 3876.15,640.15 3978.15,640.15 4078.15,740.15 4371.15,740.15 4402.15,709.15 4456.15,709.15 4533.15,786.15 4549.15,786.15 4549.15,873.15 4545.15,877.15 4363.15,877.15 4285.15,955.15 4015.15,955.15 3969.15,1001.15 3969.15,1054.15 3956.15,1067.15 3907.15,1067.15
5V on Top Layer "5V_L01_P002" (solid, pour order 2): 196 vertices, not listed, extent -89.85,786.15 4711.15,2834.15
+12 on Top Layer "+12_L01_P001" (solid, pour order 1): 611.15,71.15 645.15,37.15 645.15,3.15 693.15,-44.85 826.15,-44.85 857.15,-13.85 857.15,58.15 869.15,70.15 931.15,70.15 944.15,57.15 944.15,-28.85 959.15,-43.85 1456.15,-43.85 1477.15,-22.85 1477.15,49.15 1499.15,71.15 1554.15,71.15 1572.15,53.15 1572.15,-28.85 1590.15,-46.85 1772.15,-46.85 1795.15,-23.85 1795.15,55.15 1817.15,77.15 1863.15,77.15 1883.15,57.15 1883.15,-33.85 1894.15,-44.85 2087.15,-44.85 2104.15,-27.85 2104.15,63.15 2110.15,69.15 2185.15,69.15 2196.15,58.15 2196.15,-31.85 2209.15,-44.85 2400.15,-44.85 2417.15,-27.85 2417.15,52.15 2439.15,74.15 2489.15,74.15 2509.15,54.15 2509.15,-38.85 2517.15,-46.85 2697.15,-46.85 2726.15,-17.85 2726.15,52.15 2745.15,71.15 2791.15,71.15 2820.15,42.15 2820.15,-30.85 2836.15,-46.85 3011.15,-46.85 3063.15,5.15 3063.15,907.15 3077.15,921.15 3184.15,921.15 3190.15,915.15 3190.15,878.15 3129.15,817.15 3129.15,520.15 3142.15,507.15 3304.15,507.15 3304.15,411.15 3312.15,403.15 3212.15,403.15 3156.15,347.15 3156.15,-40.85 3055.15,-141.85 527.15,-141.85 504.15,-118.85 504.15,61.15 514.15,71.15
+12 on Top Layer "+12_L01_P000" (solid, remove dead copper, pour order 0): 4153.15,3846.15 4273.15,3726.15 4593.15,3726.15 4728.15,3591.15 4728.15,533.15 4670.15,475.15 3458.15,475.15 3426.15,507.15 3304.15,507.15 3300.15,503.15 3300.15,415.15 3312.15,403.15 3467.15,403.15 3572.15,298.15 4764.15,298.15 4828.15,362.15 4828.15,3784.15 4709.15,3903.15 4298.15,3903.15 4240.15,3961.15 4240.15,4041.15 4224.15,4057.15 4166.15,4057.15 4153.15,4044.15
GND on Bottom Layer "GND_L02_P023" (solid, remove dead copper, pour order 23): -188,4334 -188,-189 -190,-191 4849,-191 4851,-193 4851,4336 4849,4334
GND on Bottom Layer "GND_L02_P022" (solid, pour order 22): -175.85,4333.15

## Keep-outs
Keep-Out Layer:
  the board outline again, w5

## Silkscreen, mask and mechanical layers (free items; w line width, h text height)
Top Overlay:
  text "GND" at 4324.15,4167.68 h60
  text "S20" at 3436.62,4167.15 h60 r90
  text "12V" at 4143.15,4166.21 h60
  text "S21" at 3599.62,4165.15 h60 r90
  text "S14" at 2503.62,4164.15 h60 r90
  text "S19" at 3280.62,4164.15 h60 r90
  text "S15" at 2666.62,4162.15 h60 r90
  text "S13" at 2347.62,4161.15 h60 r90
  text "S11" at 2021.62,4160.15 h60 r90
  text "S23" at 3900.62,4160.15 h60 r90
  text "S2" at 630.62,4159.15 h60 r90
  text "S17" at 2963.62,4159.15 h60 r90
  text "S8" at 1548.62,4158.15 h60 r90
  text "S12" at 2184.62,4158.15 h60 r90
  text "S24" at 4063.62,4158.15 h60 r90
  text "S3" at 793.62,4157.15 h60 r90
  text "S10" at 1865.62,4157.15 h60 r90
  text "S18" at 3126.62,4157.15 h60 r90
  text "S22" at 3744.62,4157.15 h60 r90
  text "S1" at 474.62,4156.15 h60 r90
  text "S5" at 1099.62,4156.15 h60 r90
  text "S9" at 1711.62,4156.15 h60 r90
  text "S16" at 2807.62,4156.15 h60 r90
  text "S7" at 1392.62,4155.15 h60 r90
  text "S6" at 1262.62,4154.15 h60 r90
  text "S4" at 943.62,4153.15 h60 r90
  text "烟感电源" at 4210.15,3806.77 h60
  text "接主控板或上级扩展板" at -149.85,1580.47 h60
  text "接下级扩展板" at 4283.15,1543.47 h60
  text "烟感报警扩展板 / 2021-02-17" at 3364.15,1513.15 h60
  text "输入电源" at 3410.15,192.23 h60
  text "报警7" at 900.15,-162.77 h60
  text "报警6" at 1218.15,-162.77 h60
  text "报警8" at 606.15,-165.77 h60
  text "报警4" at 1821.15,-165.77 h60
  text "报警5" at 1535.15,-167.77 h60
  text "GND" at 3465.15,-168.32 h60
  text "报警3" at 2152.15,-168.77 h60
  text "报警1" at 2772.15,-168.77 h60
  text "12V" at 3284.15,-169.79 h60
  text "报警2" at 2468.15,-170.77 h60

## Dimensions
4636.67,4133.86 to 4645.67,0 on Top Overlay
-9,4133.86 to 0,0 on Top Overlay
-9,4133.86 to 4636.67,4133.86 on Top Overlay
0,0 to 4645.67,0 on Top Overlay
4812.15,4333.71 to 4812.15,-193.85 on Top Overlay
-187.85,4294.34 to 4851.52,4294.34 on Top Overlay

## Text inside footprints (layer, text, board x,y; h text height)
P13: Top Overlay "2" at 4497.15,2361.15 h50 r270; Top Overlay "1" at 4397.15,2361.15 h50 r270; Top Overlay "10" at 4312.15,2101.15 h50 r270
P14: Top Overlay "2" at 197.15,2361.15 h50 r270; Top Overlay "1" at 97.15,2361.15 h50 r270; Top Overlay "10" at 12.15,2101.15 h50 r270